# KiCad board poly_kb_molecule_8x5.kicad_pcb (continued)
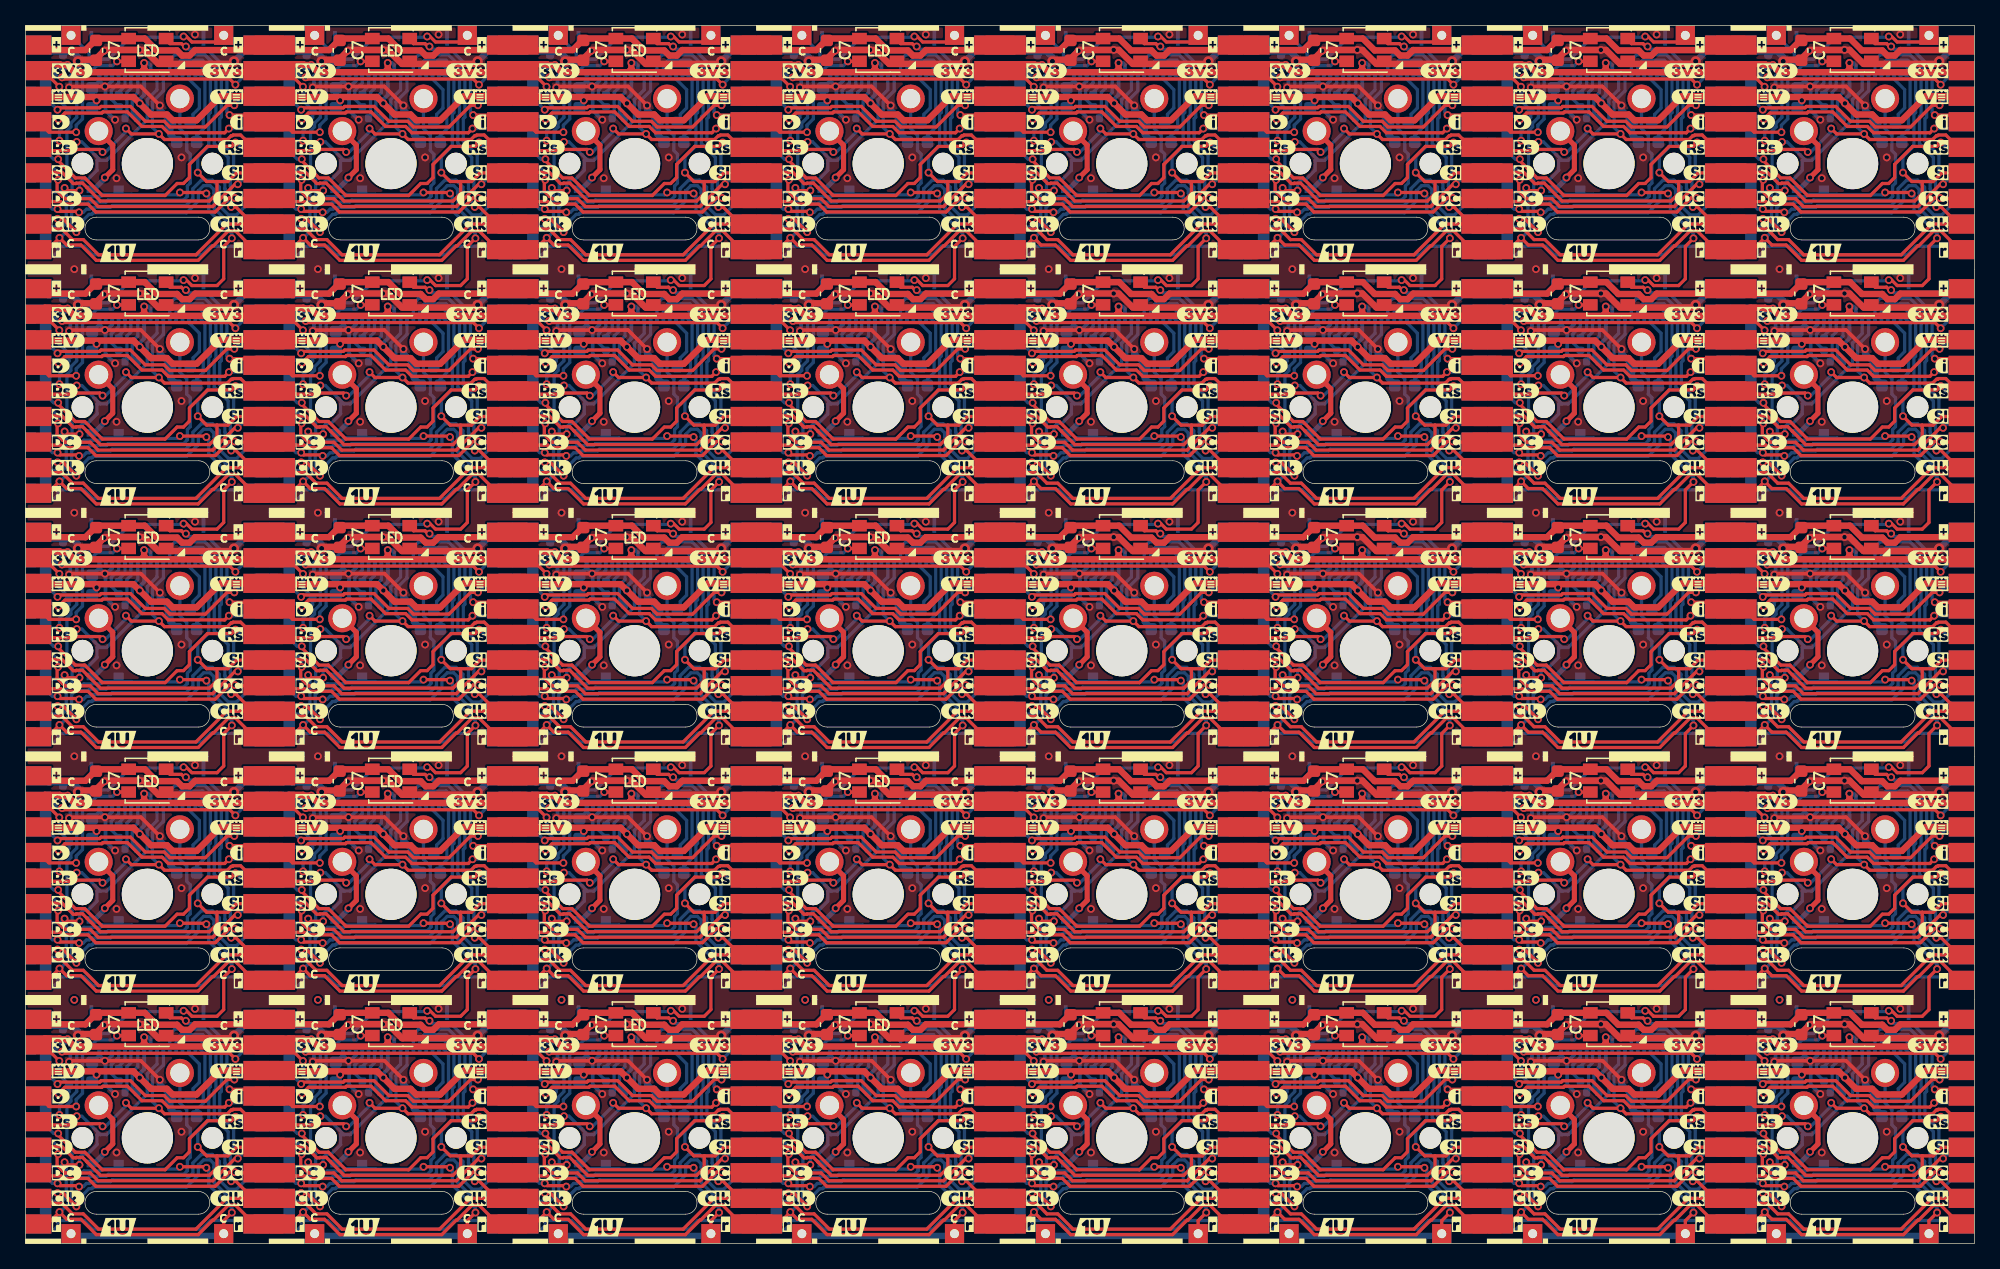
[diagram p0: board, top side]
## Routing (per net, layer and track width the routed paths; a pad name or vN(x,y) marks a point on that pad's centre or on a via; arc(x,y) is an arc through that point) (continued)
  Top w1.5: J3#26.8 J4#24.8 ; J4#11.8 J3#3.8 ; J4#36.8 J3#16.8 ; J3#20.8 J4#10.8 ; J4#18.8 J3#4.8 ; J4#9.8 J3#25.8 ; J3#10.8 J4#22.8 ; J3#27.8 J4#37.8 ; J3#23.8 J4#3.8 ; J4#19.8 J3#32.8 ; J4#16.8 J3#31.8 ; J4#15.8 J3#18.8 ; J3#22.8 J4#28.8 ; J3#39.8 J4#38.8 ; J4#40.8 J3#38.8 ; J4#27.8 J3#11.8 ; J4#21.8 J3#5.8 ; J3#6.8 J4#2.8 ; J4#26.8 J3#40.8 ; J4#35.8 J3#14.8 ; J4#5.8 J3#13.8 ; J4#12.8 J3#34.8 ; J4#23.8 J3#12.8 ; J4#30.8 J3#37.8 ; J4#17.8 J3#36.8 ; J4#25.8 J3#21.8 ; J4#8.8 J3#2.8 ; J4.8 J3#19.8 ; J3#33.8 J4#6.8 ; J4#33.8 J3#28.8 ; J4#4.8 J3#24.8 ; J3#8.8 J4#14.8 ; J4#29.8 J3#7.8 ; J4#34.8 J3#30.8 ; J3#35.8 J4#13.8
  Bottom w0.254: J1#36.13 87.97,73.12 88.34,73.48 90.04,73.48 90.95,72.57 90.95,72.57 91.08,72.44 91.08,69.22 90.95,69.09 90.95,66.98 92.04,65.89 92.04,64.64 91.78,64.38 91.78,63.45 91.81,63.41 91.81,62.64 92.28,62.18 v1(92.28,62.01) ; J1#16.13 145.12,73.12 145.49,73.48 147.19,73.48 148.1,72.57 148.1,72.57 148.23,72.44 148.23,69.22 148.1,69.09 148.1,66.98 149.19,65.89 149.19,64.64 148.93,64.38 148.93,63.45 148.96,63.41 148.96,62.64 149.43,62.18 v1(149.43,62.01) ; J1#6.13 11.77,35.02 12.14,35.38 13.84,35.38 14.75,34.47 14.75,34.47 14.88,34.34 14.88,31.12 14.75,30.99 14.75,28.88 15.84,27.79 15.84,26.54 15.58,26.28 15.58,25.35 15.61,25.31 15.61,24.54 16.08,24.08 v1(16.08,23.91) ; J1#31.13 107.03,15.97 107.39,16.33 109.09,16.33 110,15.42 110,15.42 110.13,15.29 110.13,12.07 110,11.94 110,9.83 111.09,8.74 111.09,7.49 110.83,7.23 110.83,6.3 110.86,6.26 110.86,5.49 111.33,5.03 v1(111.33,4.86) ; J1#19.13 126.07,54.07 126.44,54.43 128.14,54.43 129.05,53.52 129.05,53.52 129.18,53.39 129.18,50.17 129.05,50.04 129.05,47.93 130.14,46.84 130.14,45.59 129.88,45.33 129.88,44.4 129.91,44.36 129.91,43.59 130.38,43.13 v1(130.38,42.96) ; J1#30.13 30.83,73.12 31.19,73.48 32.89,73.48 33.8,72.57 33.8,72.57 33.93,72.44 33.93,69.22 33.8,69.09 33.8,66.98 34.89,65.89 34.89,64.64 34.63,64.38 34.63,63.45 34.66,63.41 34.66,62.64 35.13,62.18 v1(35.13,62.01) ; J1#3.13 68.92,35.02 69.29,35.38 70.99,35.38 71.9,34.47 71.9,34.47 72.03,34.34 72.03,31.12 71.9,30.99 71.9,28.88 72.99,27.79 72.99,26.54 72.73,26.28 72.73,25.35 72.76,25.31 72.76,24.54 73.23,24.08 v1(73.23,23.91) ; J1#39.13 11.77,73.12 12.14,73.48 13.84,73.48 14.75,72.57 14.75,72.57 14.88,72.44 14.88,69.22 14.75,69.09 14.75,66.98 15.84,65.89 15.84,64.64 15.58,64.38 15.58,63.45 15.61,63.41 15.61,62.64 16.08,62.18 v1(16.08,62.01) ; J1#37.13 87.97,35.02 88.34,35.38 90.04,35.38 90.95,34.47 90.95,34.47 91.08,34.34 91.08,31.12 90.95,30.99 90.95,28.88 92.04,27.79 92.04,26.54 91.78,26.28 91.78,25.35 91.81,25.31 91.81,24.54 92.28,24.08 v1(92.28,23.91) ; J1#7.13 107.03,54.07 107.39,54.43 109.09,54.43 110,53.52 110,53.52 110.13,53.39 110.13,50.17 110,50.04 110,47.93 111.09,46.84 111.09,45.59 110.83,45.33 110.83,44.4 110.86,44.36 110.86,43.59 111.33,43.13 v1(111.33,42.96) ; J1#11.13 145.12,54.07 145.49,54.43 147.19,54.43 148.1,53.52 148.1,53.52 148.23,53.39 148.23,50.17 148.1,50.04 148.1,47.93 149.19,46.84 149.19,45.59 148.93,45.33 148.93,44.4 148.96,44.36 148.96,43.59 149.43,43.13 v1(149.43,42.96) ; J1#10.13 49.88,92.17 50.24,92.53 51.94,92.53 52.85,91.62 52.85,91.62 52.98,91.49 52.98,88.27 52.85,88.14 52.85,86.03 53.94,84.94 53.94,83.69 53.68,83.43 53.68,82.5 53.71,82.46 53.71,81.69 54.18,81.23 v1(54.18,81.06) ; J1#38.13 107.03,92.17 107.39,92.53 109.09,92.53 110,91.62 110,91.62 110.13,91.49 110.13,88.27 110,88.14 110,86.03 111.09,84.94 111.09,83.69 110.83,83.43 110.83,82.5 110.86,82.46 110.86,81.69 111.33,81.23 v1(111.33,81.06) ; J1#25.13 87.97,15.97 88.34,16.33 90.04,16.33 90.95,15.42 90.95,15.42 91.08,15.29 91.08,12.07 90.95,11.94 90.95,9.83 92.04,8.74 92.04,7.49 91.78,7.23 91.78,6.3 91.81,6.26 91.81,5.49 92.28,5.03 v1(92.28,4.86) ; J1#12.13 49.88,54.07 50.24,54.43 51.94,54.43 52.85,53.52 52.85,53.52 52.98,53.39 52.98,50.17 52.85,50.04 52.85,47.93 53.94,46.84 53.94,45.59 53.68,45.33 53.68,44.4 53.71,44.36 53.71,43.59 54.18,43.13 v1(54.18,42.96) ; v1(35.13,23.91) 35.13,24.08 34.66,24.54 34.66,25.31 34.63,25.35 34.63,26.28 34.89,26.54 34.89,27.79 33.8,28.88 33.8,30.99 33.93,31.12 33.93,34.34 33.8,34.47 33.8,34.47 32.89,35.38 31.19,35.38 30.83,35.02 J1#2.13 ; J1#24.13 30.83,92.17 31.19,92.53 32.89,92.53 33.8,91.62 33.8,91.62 33.93,91.49 33.93,88.27 33.8,88.14 33.8,86.03 34.89,84.94 34.89,83.69 34.63,83.43 34.63,82.5 34.66,82.46 34.66,81.69 35.13,81.23 v1(35.13,81.06) ; v1(73.23,42.96) 73.23,43.13 72.76,43.59 72.76,44.36 72.73,44.4 72.73,45.33 72.99,45.59 72.99,46.84 71.9,47.93 71.9,50.04 72.03,50.17 72.03,53.39 71.9,53.52 71.9,53.52 70.99,54.43 69.29,54.43 68.92,54.07 J1#35.13 ; J1#5.13 126.07,35.02 126.44,35.38 128.14,35.38 129.05,34.47 129.05,34.47 129.18,34.34 129.18,31.12 129.05,30.99 129.05,28.88 130.14,27.79 130.14,26.54 129.88,26.28 129.88,25.35 129.91,25.31 129.91,24.54 130.38,24.08 v1(130.38,23.91) ; J1#34.13 49.88,35.02 50.24,35.38 51.94,35.38 52.85,34.47 52.85,34.47 52.98,34.34 52.98,31.12 52.85,30.99 52.85,28.88 53.94,27.79 53.94,26.54 53.68,26.28 53.68,25.35 53.71,25.31 53.71,24.54 54.18,24.08 v1(54.18,23.91) ; J1#33.13 68.92,73.12 69.29,73.48 70.99,73.48 71.9,72.57 71.9,72.57 72.03,72.44 72.03,69.22 71.9,69.09 71.9,66.98 72.99,65.89 72.99,64.64 72.73,64.38 72.73,63.45 72.76,63.41 72.76,62.64 73.23,62.18 v1(73.23,62.01) ; J1#28.13 145.12,35.02 145.49,35.38 147.19,35.38 148.1,34.47 148.1,34.47 148.23,34.34 148.23,31.12 148.1,30.99 148.1,28.88 149.19,27.79 149.19,26.54 148.93,26.28 148.93,25.35 148.96,25.31 148.96,24.54 149.43,24.08 v1(149.43,23.91) ; v1(130.38,4.86) 130.38,5.03 129.91,5.49 129.91,6.26 129.88,6.3 129.88,7.23 130.14,7.49 130.14,8.74 129.05,9.83 129.05,11.94 129.18,12.07 129.18,15.29 129.05,15.42 129.05,15.42 128.14,16.33 126.44,16.33 126.07,15.97 J1#8.13 ; v1(111.33,23.91) 111.33,24.08 110.86,24.54 110.86,25.31 110.83,25.35 110.83,26.28 111.09,26.54 111.09,27.79 110,28.88 110,30.99 110.13,31.12 110.13,34.34 110,34.47 110,34.47 109.09,35.38 107.39,35.38 107.03,35.02 J1#40.13 ; J1#27.13 49.88,15.97 50.24,16.33 51.94,16.33 52.85,15.42 52.85,15.42 52.98,15.29 52.98,12.07 52.85,11.94 52.85,9.83 53.94,8.74 53.94,7.49 53.68,7.23 53.68,6.3 53.71,6.26 53.71,5.49 54.18,5.03 v1(54.18,4.86) ; J1#22.13 11.77,15.97 12.14,16.33 13.84,16.33 14.75,15.42 14.75,15.42 14.88,15.29 14.88,12.07 14.75,11.94 14.75,9.83 15.84,8.74 15.84,7.49 15.58,7.23 15.58,6.3 15.61,6.26 15.61,5.49 16.08,5.03 v1(16.08,4.86) ; J1#13.13 30.83,15.97 31.19,16.33 32.89,16.33 33.8,15.42 33.8,15.42 33.93,15.29 33.93,12.07 33.8,11.94 33.8,9.83 34.89,8.74 34.89,7.49 34.63,7.23 34.63,6.3 34.66,6.26 34.66,5.49 35.13,5.03 v1(35.13,4.86) ; v1(92.28,42.96) 92.28,43.13 91.81,43.59 91.81,44.36 91.78,44.4 91.78,45.33 92.04,45.59 92.04,46.84 90.95,47.93 90.95,50.04 91.08,50.17 91.08,53.39 90.95,53.52 90.95,53.52 90.04,54.43 88.34,54.43 87.97,54.07 J1#21.13 ; v1(54.18,62.01) 54.18,62.18 53.71,62.64 53.71,63.41 53.68,63.45 53.68,64.38 53.94,64.64 53.94,65.89 52.85,66.98 52.85,69.09 52.98,69.22 52.98,72.44 52.85,72.57 52.85,72.57 51.94,73.48 50.24,73.48 49.88,73.12 J1#4.13 ; J1#14.13 87.97,92.17 88.34,92.53 90.04,92.53 90.95,91.62 90.95,91.62 91.08,91.49 91.08,88.27 90.95,88.14 90.95,86.03 92.04,84.94 92.04,83.69 91.78,83.43 91.78,82.5 91.81,82.46 91.81,81.69 92.28,81.23 v1(92.28,81.06) ; v1(149.43,81.06) 149.43,81.23 148.96,81.69 148.96,82.46 148.93,82.5 148.93,83.43 149.19,83.69 149.19,84.94 148.1,86.03 148.1,88.14 148.23,88.27 148.23,91.49 148.1,91.62 148.1,91.62 147.19,92.53 145.49,92.53 145.12,92.17 J1#32.13 ; J1#26.13 126.07,92.17 126.44,92.53 128.14,92.53 129.05,91.62 129.05,91.62 129.18,91.49 129.18,88.27 129.05,88.14 129.05,86.03 130.14,84.94 130.14,83.69 129.88,83.43 129.88,82.5 129.91,82.46 129.91,81.69 130.38,81.23 v1(130.38,81.06) ; v1(73.23,81.06) 73.23,81.23 72.76,81.69 72.76,82.46 72.73,82.5 72.73,83.43 72.99,83.69 72.99,84.94 71.9,86.03 71.9,88.14 72.03,88.27 72.03,91.49 71.9,91.62 71.9,91.62 70.99,92.53 69.29,92.53 68.92,92.17 J1#18.13 ; v1(35.13,42.96) 35.13,43.13 34.66,43.59 34.66,44.36 34.63,44.4 34.63,45.33 34.89,45.59 34.89,46.84 33.8,47.93 33.8,50.04 33.93,50.17 33.93,53.39 33.8,53.52 33.8,53.52 32.89,54.43 31.19,54.43 30.83,54.07 J1#23.13 ; v1(16.08,42.96) 16.08,43.13 15.61,43.59 15.61,44.36 15.58,44.4 15.58,45.33 15.84,45.59 15.84,46.84 14.75,47.93 14.75,50.04 14.88,50.17 14.88,53.39 14.75,53.52 14.75,53.52 13.84,54.43 12.14,54.43 11.77,54.07 J1#9.13 ; J1#29.13 68.92,15.97 69.29,16.33 70.99,16.33 71.9,15.42 71.9,15.42 72.03,15.29 72.03,12.07 71.9,11.94 71.9,9.83 72.99,8.74 72.99,7.49 72.73,7.23 72.73,6.3 72.76,6.26 72.76,5.49 73.23,5.03 v1(73.23,4.86) ; J1#17.13 107.03,73.12 107.39,73.48 109.09,73.48 110,72.57 110,72.57 110.13,72.44 110.13,69.22 110,69.09 110,66.98 111.09,65.89 111.09,64.64 110.83,64.38 110.83,63.45 110.86,63.41 110.86,62.64 111.33,62.18 v1(111.33,62.01) ; J1#15.13 145.12,15.97 145.49,16.33 147.19,16.33 148.1,15.42 148.1,15.42 148.23,15.29 148.23,12.07 148.1,11.94 148.1,9.83 149.19,8.74 149.19,7.49 148.93,7.23 148.93,6.3 148.96,6.26 148.96,5.49 149.43,5.03 v1(149.43,4.86) ; v1(16.08,81.06) 16.08,81.23 15.61,81.69 15.61,82.46 15.58,82.5 15.58,83.43 15.84,83.69 15.84,84.94 14.75,86.03 14.75,88.14 14.88,88.27 14.88,91.49 14.75,91.62 14.75,91.62 13.84,92.53 12.14,92.53 11.77,92.17 J1.13 ; v1(130.38,62.01) 130.38,62.18 129.91,62.64 129.91,63.41 129.88,63.45 129.88,64.38 130.14,64.64 130.14,65.89 129.05,66.98 129.05,69.09 129.18,69.22 129.18,72.44 129.05,72.57 129.05,72.57 128.14,73.48 126.44,73.48 126.07,73.12 J1#20.13
/Keyboard/sheet605ED2EB/SDIN: length 1342
  Top w0.254: 39.37,26.58 39.41,26.62 40.95,26.62 41.82,25.74 42.04,25.74 42.08,25.78 42.56,25.78 42.9,25.44 42.9,25.43 43.95,24.38 52.48,24.38 53.07,24.97 53.07,25.9 ; 77.47,7.53 77.51,7.57 79.05,7.57 79.92,6.69 80.14,6.69 80.18,6.73 80.66,6.73 81,6.39 81,6.38 82.05,5.33 90.58,5.33 91.17,5.92 91.17,6.85 ; 34.02,83.05 34.87,83.05 35.55,83.72 36.83,83.72 ; 34.02,83.05 33.21,83.05 v1(32.51,83.75) ; 34.02,83.05 34.02,82.12 33.43,81.53 24.9,81.53 23.85,82.58 23.85,82.59 23.51,82.93 23.03,82.93 22.99,82.89 22.77,82.89 21.9,83.77 20.36,83.77 20.32,83.72 ; 14.97,64 14.97,63.07 14.38,62.48 5.85,62.48 4.8,63.53 4.8,63.54 4.46,63.88 3.98,63.88 3.94,63.84 3.72,63.84 2.85,64.72 1.31,64.72 1.27,64.67 ; 14.97,64 15.82,64 16.5,64.67 17.78,64.67 ; 14.97,64 14.16,64 v1(13.46,64.7) ; 53.07,64 52.26,64 v1(51.56,64.7) ; 53.07,64 53.07,63.07 52.48,62.48 43.95,62.48 42.9,63.53 42.9,63.54 42.56,63.88 42.08,63.88 42.04,63.84 41.82,63.84 40.95,64.72 39.41,64.72 39.37,64.67 ; 53.07,64 53.92,64 54.6,64.67 55.88,64.67 ; 14.97,25.9 14.97,24.97 14.38,24.38 5.85,24.38 4.8,25.43 4.8,25.44 4.46,25.78 3.98,25.78 3.94,25.74 3.72,25.74 2.85,26.62 1.31,26.62 1.27,26.58 ; 14.97,25.9 14.16,25.9 v1(13.46,26.6) ; 14.97,25.9 15.82,25.9 16.5,26.58 17.78,26.58 ; 93.98,45.62 92.7,45.62 92.02,44.95 91.17,44.95 ; 132.08,83.72 130.8,83.72 130.12,83.05 129.27,83.05 ; 110.22,64 109.41,64 v1(108.71,64.7) ; 110.22,64 111.07,64 111.75,64.67 113.03,64.67 ; 110.22,64 110.22,63.07 109.63,62.48 101.1,62.48 100.05,63.53 100.05,63.54 99.71,63.88 99.23,63.88 99.19,63.84 98.97,63.84 98.1,64.72 96.56,64.72 96.52,64.67 ; 72.12,83.05 72.97,83.05 73.65,83.72 74.93,83.72 ; 72.12,83.05 71.31,83.05 v1(70.61,83.75) ; 72.12,83.05 72.12,82.12 71.53,81.53 63,81.53 61.95,82.58 61.95,82.59 61.61,82.93 61.13,82.93 61.09,82.89 60.87,82.89 60,83.77 58.46,83.77 58.42,83.72 ; 129.27,64 130.12,64 130.8,64.67 132.08,64.67 ; 129.27,64 129.27,63.07 128.68,62.48 120.15,62.48 119.1,63.53 119.1,63.54 118.76,63.88 118.28,63.88 118.24,63.84 118.02,63.84 117.15,64.72 115.61,64.72 115.57,64.67 ; 129.27,64 128.46,64 v1(127.76,64.7) ; 115.57,83.72 115.61,83.77 117.15,83.77 118.02,82.89 118.24,82.89 118.28,82.93 118.76,82.93 119.1,82.59 119.1,82.58 120.15,81.53 128.68,81.53 129.27,82.12 129.27,83.05 ; 53.07,83.05 52.26,83.05 v1(51.56,83.75) ; 53.07,83.05 53.92,83.05 54.6,83.72 55.88,83.72 ; 53.07,83.05 53.07,82.12 52.48,81.53 43.95,81.53 42.9,82.58 42.9,82.59 42.56,82.93 42.08,82.93 42.04,82.89 41.82,82.89 40.95,83.77 39.41,83.77 39.37,83.72 ; 93.98,26.58 92.7,26.58 92.02,25.9 91.17,25.9 ; 151.13,83.72 149.85,83.72 149.17,83.05 148.32,83.05 ; 134.62,45.62 134.66,45.67 136.2,45.67 137.07,44.79 137.29,44.79 137.33,44.83 137.81,44.83 138.15,44.49 138.15,44.48 139.2,43.43 147.73,43.43 148.32,44.02 148.32,44.95 ; v1(70.61,64.7) 71.31,64 72.12,64 ; 53.07,6.85 53.07,5.92 52.48,5.33 43.95,5.33 42.9,6.38 42.9,6.39 42.56,6.73 42.08,6.73 42.04,6.69 41.82,6.69 40.95,7.57 39.41,7.57 39.37,7.53 ; 53.07,6.85 53.92,6.85 54.6,7.53 55.88,7.53 ; 53.07,6.85 52.26,6.85 v1(51.56,7.55) ; v1(70.61,45.65) 71.31,44.95 72.12,44.95 ; 77.47,26.58 77.51,26.62 79.05,26.62 79.92,25.74 80.14,25.74 80.18,25.78 80.66,25.78 81,25.44 81,25.43 82.05,24.38 90.58,24.38 91.17,24.97 91.17,25.9 ; 74.93,64.67 73.65,64.67 72.97,64 72.12,64 ; 53.07,25.9 53.92,25.9 54.6,26.58 55.88,26.58 ; 53.07,25.9 52.26,25.9 v1(51.56,26.6) ; 17.78,7.53 16.5,7.53 15.82,6.85 14.97,6.85 ; 91.17,44.95 90.36,44.95 v1(89.66,45.65) ; 91.17,44.95 91.17,44.02 90.58,43.43 82.05,43.43 81,44.48 81,44.49 80.66,44.83 80.18,44.83 80.14,44.79 79.92,44.79 79.05,45.67 77.51,45.67 77.47,45.62 ; 148.32,44.95 149.17,44.95 149.85,45.62 151.13,45.62 ; 148.32,44.95 147.51,44.95 v1(146.81,45.65) ; 96.52,45.62 96.56,45.67 98.1,45.67 98.97,44.79 99.19,44.79 99.23,44.83 99.71,44.83 100.05,44.49 100.05,44.48 101.1,43.43 109.63,43.43 110.22,44.02 110.22,44.95 ; 91.17,25.9 90.36,25.9 v1(89.66,26.6) ; 72.12,44.95 72.12,44.02 71.53,43.43 63,43.43 61.95,44.48 61.95,44.49 61.61,44.83 61.13,44.83 61.09,44.79 60.87,44.79 60,45.67 58.46,45.67 58.42,45.62 ; 72.12,44.95 72.97,44.95 73.65,45.62 74.93,45.62 ; 91.17,6.85 90.36,6.85 v1(89.66,7.55) ; 91.17,6.85 92.02,6.85 92.7,7.53 93.98,7.53 ; 77.47,83.72 77.51,83.77 79.05,83.77 79.92,82.89 80.14,82.89 80.18,82.93 80.66,82.93 81,82.59 81,82.58 82.05,81.53 90.58,81.53 91.17,82.12 91.17,83.05 ; v1(108.71,26.6) 109.41,25.9 110.22,25.9 ; 129.27,83.05 128.46,83.05 v1(127.76,83.75) ; 129.27,25.9 130.12,25.9 130.8,26.58 132.08,26.58 ; 129.27,25.9 129.27,24.97 128.68,24.38 120.15,24.38 119.1,25.43 119.1,25.44 118.76,25.78 118.28,25.78 118.24,25.74 118.02,25.74 117.15,26.62 115.61,26.62 115.57,26.58 ; 129.27,25.9 128.46,25.9 v1(127.76,26.6) ; 110.22,25.9 110.22,24.97 109.63,24.38 101.1,24.38 100.05,25.43 100.05,25.44 99.71,25.78 99.23,25.78 99.19,25.74 98.97,25.74 98.1,26.62 96.56,26.62 96.52,26.58 ; 110.22,25.9 111.07,25.9 111.75,26.58 113.03,26.58 ; v1(32.51,64.7) 33.21,64 34.02,64 ; 110.22,44.95 111.07,44.95 111.75,45.62 113.03,45.62 ; 110.22,44.95 109.41,44.95 v1(108.71,45.65) ; 129.27,6.85 130.12,6.85 130.8,7.53 132.08,7.53 ; 129.27,6.85 129.27,5.92 128.68,5.33 120.15,5.33 119.1,6.38 119.1,6.39 118.76,6.73 118.28,6.73 118.24,6.69 118.02,6.69 117.15,7.57 115.61,7.57 115.57,7.53 ; 129.27,6.85 128.46,6.85 v1(127.76,7.55) ; 129.27,44.95 130.12,44.95 130.8,45.62 132.08,45.62 ; 129.27,44.95 129.27,44.02 128.68,43.43 120.15,43.43 119.1,44.48 119.1,44.49 118.76,44.83 118.28,44.83 118.24,44.79 118.02,44.79 117.15,45.67 115.61,45.67 115.57,45.62 ; 129.27,44.95 128.46,44.95 v1(127.76,45.65) ; 134.62,64.67 134.66,64.72 136.2,64.72 137.07,63.84 137.29,63.84 137.33,63.88 137.81,63.88 138.15,63.54 138.15,63.53 139.2,62.48 147.73,62.48 148.32,63.07 148.32,64 ; 36.83,45.62 35.55,45.62 34.87,44.95 34.02,44.95 ; 34.02,6.85 33.21,6.85 v1(32.51,7.55) ; 34.02,6.85 34.02,5.92 33.43,5.33 24.9,5.33 23.85,6.38 23.85,6.39 23.51,6.73 23.03,6.73 22.99,6.69 22.77,6.69 21.9,7.57 20.36,7.57 20.32,7.53 ; 34.02,6.85 34.87,6.85 35.55,7.53 36.83,7.53 ; 148.32,6.85 148.32,5.92 147.73,5.33 139.2,5.33 138.15,6.38 138.15,6.39 137.81,6.73 137.33,6.73 137.29,6.69 137.07,6.69 136.2,7.57 134.66,7.57 134.62,7.53 ; 148.32,6.85 147.51,6.85 v1(146.81,7.55) ; 148.32,6.85 149.17,6.85 149.85,7.53 151.13,7.53 ; 148.32,83.05 148.32,82.12 147.73,81.53 139.2,81.53 138.15,82.58 138.15,82.59 137.81,82.93 137.33,82.93 137.29,82.89 137.07,82.89 136.2,83.77 134.66,83.77 134.62,83.72 ; 148.32,83.05 147.51,83.05 v1(146.81,83.75) ; v1(70.61,7.55) 71.31,6.85 72.12,6.85 ; 72.12,25.9 72.12,24.97 71.53,24.38 63,24.38 61.95,25.43 61.95,25.44 61.61,25.78 61.13,25.78 61.09,25.74 60.87,25.74 60,26.62 58.46,26.62 58.42,26.58 ; 72.12,25.9 72.97,25.9 73.65,26.58 74.93,26.58 ; 72.12,25.9 71.31,25.9 v1(70.61,26.6) ; 39.37,45.62 39.41,45.67 40.95,45.67 41.82,44.79 42.04,44.79 42.08,44.83 42.56,44.83 42.9,44.49 42.9,44.48 43.95,43.43 52.48,43.43 53.07,44.02 53.07,44.95 ; 110.22,6.85 110.22,5.92 109.63,5.33 101.1,5.33 100.05,6.38 100.05,6.39 99.71,6.73 99.23,6.73 99.19,6.69 98.97,6.69 98.1,7.57 96.56,7.57 96.52,7.53 ; 110.22,6.85 111.07,6.85 111.75,7.53 113.03,7.53 ; 110.22,6.85 109.41,6.85 v1(108.71,7.55) ; 14.97,6.85 14.97,5.92 14.38,5.33 5.85,5.33 4.8,6.38 4.8,6.39 4.46,6.73 3.98,6.73 3.94,6.69 3.72,6.69 2.85,7.57 1.31,7.57 1.27,7.53 ; 14.97,6.85 14.16,6.85 v1(13.46,7.55) ; v1(146.81,26.6) 147.51,25.9 148.32,25.9 ; 20.32,26.58 20.36,26.62 21.9,26.62 22.77,25.74 22.99,25.74 23.03,25.78 23.51,25.78 23.85,25.44 23.85,25.43 24.9,24.38 33.43,24.38 34.02,24.97 34.02,25.9 ; 134.62,26.58 134.66,26.62 136.2,26.62 137.07,25.74 137.29,25.74 137.33,25.78 137.81,25.78 138.15,25.44 138.15,25.43 139.2,24.38 147.73,24.38 148.32,24.97 148.32,25.9 ; v1(89.66,83.75) 90.36,83.05 91.17,83.05 ; 34.02,64 34.87,64 35.55,64.67 36.83,64.67 ; 34.02,64 34.02,63.07 33.43,62.48 24.9,62.48 23.85,63.53 23.85,63.54 23.51,63.88 23.03,63.88 22.99,63.84 22.77,63.84 21.9,64.72 20.36,64.72 20.32,64.67 ; v1(146.81,64.7) 147.51,64 148.32,64 ; 148.32,64 149.17,64 149.85,64.67 151.13,64.67 ; 110.22,83.05 109.41,83.05 v1(108.71,83.75) ; 110.22,83.05 110.22,82.12 109.63,81.53 101.1,81.53 100.05,82.58 100.05,82.59 99.71,82.93 99.23,82.93 99.19,82.89 98.97,82.89 98.1,83.77 96.56,83.77 96.52,83.72 ; 110.22,83.05 111.07,83.05 111.75,83.72 113.03,83.72 ; 91.17,83.05 92.02,83.05 92.7,83.72 93.98,83.72 ; 53.07,44.95 52.26,44.95 v1(51.56,45.65) ; 53.07,44.95 53.92,44.95 54.6,45.62 55.88,45.62 ; 148.32,25.9 149.17,25.9 149.85,26.58 151.13,26.58 ; 58.42,7.53 58.46,7.57 60,7.57 60.87,6.69 61.09,6.69 61.13,6.73 61.61,6.73 61.95,6.39 61.95,6.38 63,5.33 71.53,5.33 72.12,5.92 72.12,6.85 ; 34.02,25.9 34.87,25.9 35.55,26.58 36.83,26.58 ; 34.02,25.9 33.21,25.9 v1(32.51,26.6) ; 17.78,83.72 16.5,83.72 15.82,83.05 14.97,83.05 ; v1(13.46,83.75) 14.16,83.05 14.97,83.05 ; v1(89.66,64.7) 90.36,64 91.17,64 ; 1.27,83.72 1.31,83.77 2.85,83.77 3.72,82.89 3.94,82.89 3.98,82.93 4.46,82.93 4.8,82.59 4.8,82.58 5.85,81.53 14.38,81.53 14.97,82.12 14.97,83.05 ; 1.27,45.62 1.31,45.67 2.85,45.67 3.72,44.79 3.94,44.79 3.98,44.83 4.46,44.83 4.8,44.49 4.8,44.48 5.85,43.43 14.38,43.43 14.97,44.02 14.97,44.95 ; 91.17,64 92.02,64 92.7,64.67 93.98,64.67 ; 91.17,64 91.17,63.07 90.58,62.48 82.05,62.48 81,63.53 81,63.54 80.66,63.88 80.18,63.88 80.14,63.84 79.92,63.84 79.05,64.72 77.51,64.72 77.47,64.67 ; 72.12,6.85 72.97,6.85 73.65,7.53 74.93,7.53 ; 72.12,64 72.12,63.07 71.53,62.48 63,62.48 61.95,63.53 61.95,63.54 61.61,63.88 61.13,63.88 61.09,63.84 60.87,63.84 60,64.72 58.46,64.72 58.42,64.67 ; 34.02,44.95 33.21,44.95 v1(32.51,45.65) ; 34.02,44.95 34.02,44.02 33.43,43.43 24.9,43.43 23.85,44.48 23.85,44.49 23.51,44.83 23.03,44.83 22.99,44.79 22.77,44.79 21.9,45.67 20.36,45.67 20.32,45.62 ; 14.97,44.95 14.16,44.95 v1(13.46,45.65) ; 14.97,44.95 15.82,44.95 16.5,45.62 17.78,45.62
  Top w1.5: J3#8.6 J4#14.6 ; J4#17.6 J3#36.6 ; J3#23.6 J4#3.6 ; J3#26.6 J4#24.6 ; J3#39.6 J4#38.6 ; J4#21.6 J3#5.6 ; J3#20.6 J4#10.6 ; J3#27.6 J4#37.6 ; J4#12.6 J3#34.6 ; J4#30.6 J3#37.6 ; J4#33.6 J3#28.6 ; J3#33.6 J4#6.6 ; J4#5.6 J3#13.6 ; J3#35.6 J4#13.6 ; J4#34.6 J3#30.6 ; J4#26.6 J3#40.6 ; J4#40.6 J3#38.6 ; J4#4.6 J3#24.6 ; J4#25.6 J3#21.6 ; J4#8.6 J3#2.6 ; J4#16.6 J3#31.6 ; J3#6.6 J4#2.6 ; J4#9.6 J3#25.6 ; J4#29.6 J3#7.6 ; J3#22.6 J4#28.6 ; J3#10.6 J4#22.6 ; J4#27.6 J3#11.6 ; J4#23.6 J3#12.6 ; J4#36.6 J3#16.6 ; J4#19.6 J3#32.6 ; J4#18.6 J3#4.6 ; J4#11.6 J3#3.6 ; J4.6 J3#19.6 ; J4#15.6 J3#18.6 ; J4#35.6 J3#14.6
  Bottom w0.254: J1#33.14 69.42,72.87 69.61,73.05 70.81,73.05 71.6,72.27 71.6,69.4 71.47,69.27 71.47,66.79 70.61,65.93 v1(70.61,64.7) ; v1(13.46,26.6) 13.46,27.83 14.32,28.69 14.32,31.17 14.45,31.3 14.45,34.17 13.66,34.95 12.46,34.95 12.27,34.77 J1#6.14 ; v1(146.81,45.65) 146.81,46.88 147.67,47.74 147.67,50.22 147.8,50.35 147.8,53.22 147.01,54 145.81,54 145.62,53.82 J1#11.14 ; v1(32.51,26.6) 32.51,27.83 33.37,28.69 33.37,31.17 33.5,31.3 33.5,34.17 32.71,34.95 31.51,34.95 31.33,34.77 J1#2.14 ; v1(127.76,26.6) 127.76,27.83 128.62,28.69 128.62,31.17 128.75,31.3 128.75,34.17 127.96,34.95 126.76,34.95 126.57,34.77 J1#5.14 ; J1#34.14 50.38,34.77 50.56,34.95 51.76,34.95 52.55,34.17 52.55,31.3 52.42,31.17 52.42,28.69 51.56,27.83 v1(51.56,26.6) ; J1#26.14 126.57,91.92 126.76,92.1 127.96,92.1 128.75,91.32 128.75,88.45 128.62,88.32 128.62,85.84 127.76,84.98 v1(127.76,83.75) ; J1#29.14 69.42,15.72 69.61,15.9 70.81,15.9 71.6,15.12 71.6,12.25 71.47,12.12 71.47,9.64 70.61,8.78 v1(70.61,7.55) ; J1#32.14 145.62,91.92 145.81,92.1 147.01,92.1 147.8,91.32 147.8,88.45 147.67,88.32 147.67,85.84 146.81,84.98 v1(146.81,83.75) ; J1#23.14 31.33,53.82 31.51,54 32.71,54 33.5,53.22 33.5,50.35 33.37,50.22 33.37,47.74 32.51,46.88 v1(32.51,45.65) ; v1(51.56,7.55) 51.56,8.78 52.42,9.64 52.42,12.12 52.55,12.25 52.55,15.12 51.76,15.9 50.56,15.9 50.38,15.72 J1#27.14 ; v1(70.61,45.65) 70.61,46.88 71.47,47.74 71.47,50.22 71.6,50.35 71.6,53.22 70.81,54 69.61,54 69.42,53.82 J1#35.14 ; v1(89.66,83.75) 89.66,84.98 90.52,85.84 90.52,88.32 90.65,88.45 90.65,91.32 89.86,92.1 88.66,92.1 88.47,91.92 J1#14.14 ; v1(127.76,7.55) 127.76,8.78 128.62,9.64 128.62,12.12 128.75,12.25 128.75,15.12 127.96,15.9 126.76,15.9 126.57,15.72 J1#8.14 ; v1(146.81,7.55) 146.81,8.78 147.67,9.64 147.67,12.12 147.8,12.25 147.8,15.12 147.01,15.9 145.81,15.9 145.62,15.72 J1#15.14 ; J1#21.14 88.47,53.82 88.66,54 89.86,54 90.65,53.22 90.65,50.35 90.52,50.22 90.52,47.74 89.66,46.88 v1(89.66,45.65) ; J1#30.14 31.33,72.87 31.51,73.05 32.71,73.05 33.5,72.27 33.5,69.4 33.37,69.27 33.37,66.79 32.51,65.93 v1(32.51,64.7) ; J1#4.14 50.38,72.87 50.56,73.05 51.76,73.05 52.55,72.27 52.55,69.4 52.42,69.27 52.42,66.79 51.56,65.93 v1(51.56,64.7) ; v1(32.51,83.75) 32.51,84.98 33.37,85.84 33.37,88.32 33.5,88.45 33.5,91.32 32.71,92.1 31.51,92.1 31.33,91.92 J1#24.14 ; v1(146.81,64.7) 146.81,65.93 147.67,66.79 147.67,69.27 147.8,69.4 147.8,72.27 147.01,73.05 145.81,73.05 145.62,72.87 J1#16.14 ; J1#28.14 145.62,34.77 145.81,34.95 147.01,34.95 147.8,34.17 147.8,31.3 147.67,31.17 147.67,28.69 146.81,27.83 v1(146.81,26.6) ; v1(51.56,83.75) 51.56,84.98 52.42,85.84 52.42,88.32 52.55,88.45 52.55,91.32 51.76,92.1 50.56,92.1 50.38,91.92 J1#10.14 ; J1#20.14 126.57,72.87 126.76,73.05 127.96,73.05 128.75,72.27 128.75,69.4 128.62,69.27 128.62,66.79 127.76,65.93 v1(127.76,64.7) ; v1(108.71,64.7) 108.71,65.93 109.57,66.79 109.57,69.27 109.7,69.4 109.7,72.27 108.91,73.05 107.71,73.05 107.53,72.87 J1#17.14 ; v1(51.56,45.65) 51.56,46.88 52.42,47.74 52.42,50.22 52.55,50.35 52.55,53.22 51.76,54 50.56,54 50.38,53.82 J1#12.14 ; v1(89.66,7.55) 89.66,8.78 90.52,9.64 90.52,12.12 90.65,12.25 90.65,15.12 89.86,15.9 88.66,15.9 88.47,15.72 J1#25.14 ; J1#31.14 107.53,15.72 107.71,15.9 108.91,15.9 109.7,15.12 109.7,12.25 109.57,12.12 109.57,9.64 108.71,8.78 v1(108.71,7.55) ; v1(89.66,64.7) 89.66,65.93 90.52,66.79 90.52,69.27 90.65,69.4 90.65,72.27 89.86,73.05 88.66,73.05 88.47,72.87 J1#36.14 ; J1#39.14 12.27,72.87 12.46,73.05 13.66,73.05 14.45,72.27 14.45,69.4 14.32,69.27 14.32,66.79 13.46,65.93 v1(13.46,64.7) ; J1#40.14 107.53,34.77 107.71,34.95 108.91,34.95 109.7,34.17 109.7,31.3 109.57,31.17 109.57,28.69 108.71,27.83 v1(108.71,26.6) ; v1(70.61,83.75) 70.61,84.98 71.47,85.84 71.47,88.32 71.6,88.45 71.6,91.32 70.81,92.1 69.61,92.1 69.42,91.92 J1#18.14 ; J1#13.14 31.33,15.72 31.51,15.9 32.71,15.9 33.5,15.12 33.5,12.25 33.37,12.12 33.37,9.64 32.51,8.78 v1(32.51,7.55) ; J1#3.14 69.42,34.77 69.61,34.95 70.81,34.95 71.6,34.17 71.6,31.3 71.47,31.17 71.47,28.69 70.61,27.83 v1(70.61,26.6) ; J1#7.14 107.53,53.82 107.71,54 108.91,54 109.7,53.22 109.7,50.35 109.57,50.22 109.57,47.74 108.71,46.88 v1(108.71,45.65) ; J1.14 12.27,91.92 12.46,92.1 13.66,92.1 14.45,91.32 14.45,88.45 14.32,88.32 14.32,85.84 13.46,84.98 v1(13.46,83.75) ; v1(13.46,7.55) 13.46,8.78 14.32,9.64 14.32,12.12 14.45,12.25 14.45,15.12 13.66,15.9 12.46,15.9 12.27,15.72 J1#22.14 ; v1(13.46,45.65) 13.46,46.88 14.32,47.74 14.32,50.22 14.45,50.35 14.45,53.22 13.66,54 12.46,54 12.27,53.82 J1#9.14 ; v1(108.71,83.75) 108.71,84.98 109.57,85.84 109.57,88.32 109.7,88.45 109.7,91.32 108.91,92.1 107.71,92.1 107.53,91.92 J1#38.14 ; v1(89.66,26.6) 89.66,27.83 90.52,28.69 90.52,31.17 90.65,31.3 90.65,34.17 89.86,34.95 88.66,34.95 88.47,34.77 J1#37.14 ; v1(127.76,45.65) 127.76,46.88 128.62,47.74 128.62,50.22 128.75,50.35 128.75,53.22 127.96,54 126.76,54 126.57,53.82 J1#19.14
